# Allegro board 6089-119-RevB_08.brd (continued)
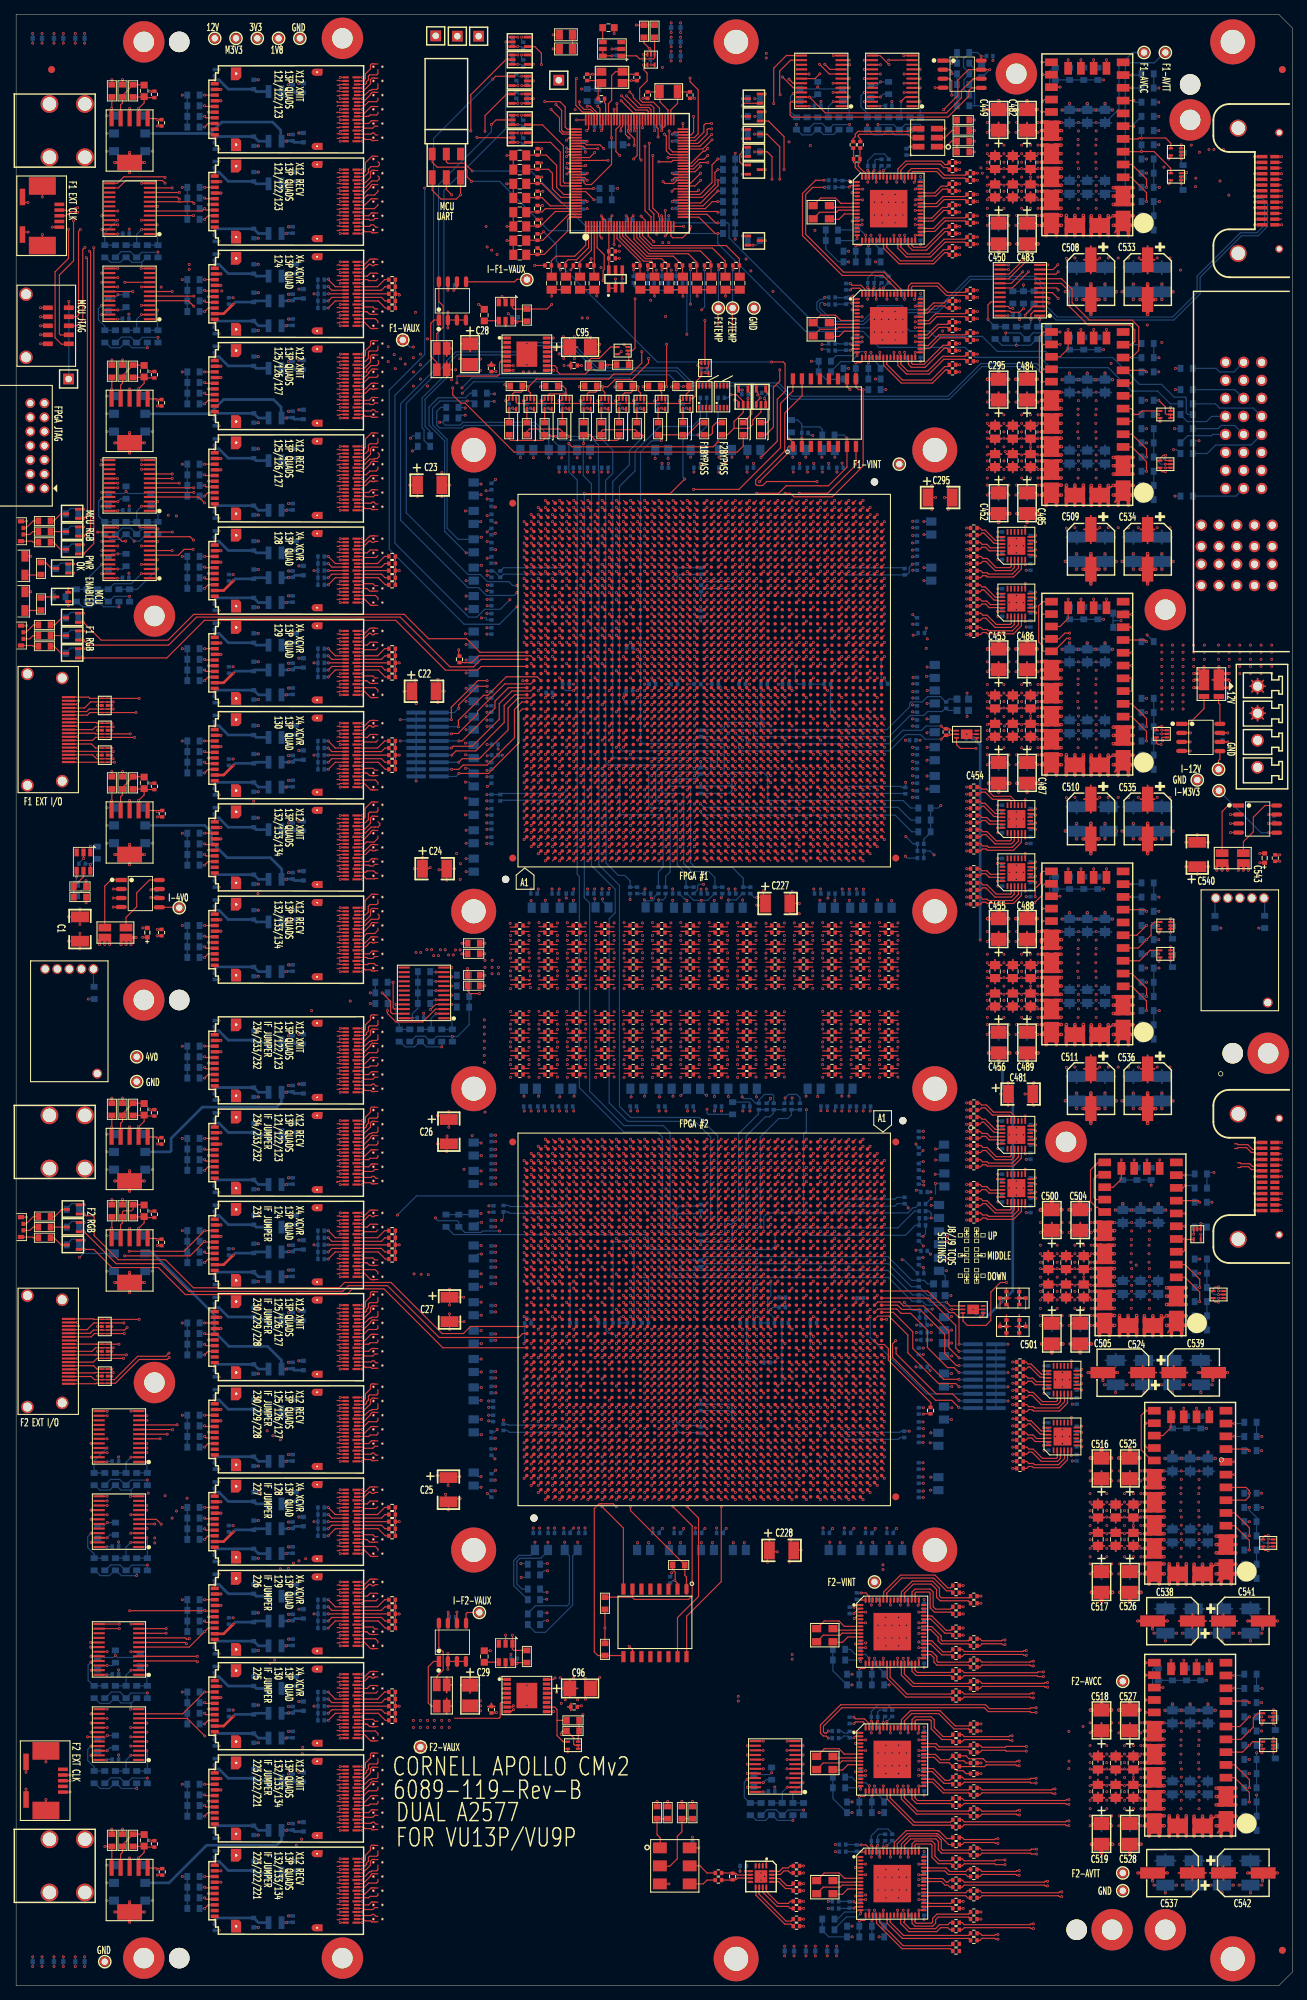
[diagram p0: board, top side]
## Routing (per net, layer and track width the routed paths; a pad name or vN(x,y) marks a point on that pad's centre or on a via; arc(x,y) is an arc through that point) (continued)
; VA6.4 52.05,260.21 ; VA6.4 51.96,260.72 ; VA6.4 51.82,260.81 ; VA6.4 52.02,260.4 ; VA6.4 52.05,260.59 ; VA6.4 51.63,260.02 ; VA6.4 51.96,260.08 ; VA6.4 51.63,260.78 ; VA45.4 52.05,158.59 ; VA45.4 52.05,158.21 ; VA45.4 51.63,158.02 ; VA45.4 51.82,158.81 ; VA45.4 51.96,158.72 ; VA45.4 52.02,158.4 ; VA45.4 51.96,158.08 ; VA45.4 51.63,158.78 ; VA86.4 51.96,54.58 ; VA86.4 51.96,55.22 ; VA86.4 52.02,54.9 ; VA86.4 51.63,54.52 ; VA86.4 51.82,55.31 ; VA86.4 51.63,55.28 ; VA86.4 52.05,55.09 ; VA86.4 52.05,54.71 ; PM1.1 13.38,3.4 ; PM1.1 12.5,4.28 ; PM1.1 11.62,3.4 ; PM1.1 13.17,4.07 ; PM1.1 11.83,4.07 ; PM1.1 11.83,2.73 ; PM1.1 12.5,2.52 ; PM1.1 13.17,2.73 ; VA72.4 51.96,91.72 ; VA72.4 52.05,91.59 ; VA72.4 51.82,91.81 ; VA72.4 52.05,91.21 ; VA72.4 52.02,91.4 ; VA72.4 51.63,91.02 ; VA72.4 51.96,91.08 ; VA72.4 51.63,91.78 ; 49.95,255.59 VA8.3 ; VA8.3 50.04,255.08 ; VA8.3 49.98,255.4 ; VA8.3 50.18,254.99 ; VA8.3 50.37,255.78 ; VA8.3 50.37,255.02 ; VA8.3 50.04,255.72 ; VA8.3 49.95,255.21 ; VA10.4 51.63,251.78 ; VA10.4 52.05,251.59 ; VA10.4 52.05,251.21 ; VA10.4 51.96,251.72 ; VA10.4 51.63,251.02 ; VA10.4 52.02,251.4 ; VA10.4 51.96,251.08 ; VA10.4 51.82,251.81 ; VA84.3 52.02,60.9 ; VA84.3 51.63,61.28 ; VA84.3 52.05,60.71 ; VA84.3 51.63,60.52 ; VA84.3 51.96,60.58 ; VA84.3 51.82,61.31 ; VA84.3 51.96,61.22 ; VA84.3 52.05,61.09 ; VA42.4 52.02,164.4 ; VA42.4 52.05,164.21 ; VA42.4 51.63,164.02 ; VA42.4 52.05,164.59 ; VA42.4 51.96,164.08 ; VA42.4 51.82,164.81 ; VA42.4 51.63,164.78 ; VA42.4 51.96,164.72 ; 49.95,266.59 VA3.3 ; VA3.3 50.04,266.08 ; VA3.3 50.37,266.02 ; VA3.3 50.37,266.78 ; VA3.3 50.04,266.72 ; VA3.3 49.95,266.21 ; VA3.3 50.18,265.99 ; VA3.3 49.98,266.4 ; 49.95,231.59 VA17.3 ; VA17.3 49.95,231.21 ; VA17.3 49.98,231.4 ; VA17.3 50.18,230.99 ; VA17.3 50.04,231.72 ; VA17.3 50.37,231.02 ; VA17.3 50.37,231.78 ; VA17.3 50.04,231.08 ; VA77.4 51.96,80.08 ; VA77.4 51.82,80.81 ; VA77.4 52.02,80.4 ; VA77.4 51.63,80.78 ; VA77.4 51.63,80.02 ; VA77.4 51.96,80.72 ; VA77.4 52.05,80.21 ; VA77.4 52.05,80.59 ; VA55.4 51.63,132.78 ; VA55.4 51.96,132.72 ; VA55.4 52.02,132.4 ; VA55.4 52.05,132.59 ; VA55.4 51.63,132.02 ; VA55.4 51.82,132.81 ; VA55.4 52.05,132.21 ; VA55.4 51.96,132.08 ; 5.69,82.94 J6.21 ; J6.21 6.5,83.2 ; J6.21 7.31,82.94 ; J6.21 5.43,82.14 ; J6.21 6.5,81.07 ; J6.21 7.57,82.14 ; J6.21 5.69,81.33 ; J6.21 7.31,81.33 ; 49.98,235.9 VA15.4 ; VA15.4 50.04,235.58 ; VA15.4 50.18,235.49 ; VA15.4 50.37,235.52 ; VA15.4 49.95,235.71 ; VA15.4 49.95,236.09 ; VA15.4 50.37,236.28 ; VA15.4 50.04,236.22 ; VA63.3 50.37,115.78 ; VA63.3 50.18,114.99 ; VA63.3 50.04,115.08 ; VA63.3 50.37,115.02 ; VA63.3 49.98,115.4 ; VA63.3 50.04,115.72 ; VA63.3 49.95,115.21 ; VA63.3 49.95,115.59 ; 50.04,69.58 VA81.3 ; VA81.3 50.18,69.49 ; VA81.3 50.04,70.22 ; VA81.3 50.37,69.52 ; VA81.3 49.95,70.09 ; VA81.3 49.98,69.9 ; VA81.3 50.37,70.28 ; VA81.3 49.95,69.71 ; 51.63,218.02 VA23.4 ; VA23.4 52.05,218.21 ; VA23.4 51.82,218.81 ; VA23.4 51.63,218.78 ; VA23.4 51.96,218.08 ; VA23.4 52.02,218.4 ; VA23.4 51.96,218.72 ; VA23.4 52.05,218.59 ; VA97.4 52.02,24.4 ; VA97.4 51.63,24.78 ; VA97.4 51.96,24.72 ; VA97.4 52.05,24.59 ; VA97.4 51.63,24.02 ; VA97.4 52.05,24.21 ; VA97.4 51.82,24.81 ; VA97.4 51.96,24.08 ; 51.63,26.02 VA96.4 ; VA96.4 52.05,26.59 ; VA96.4 51.82,26.81 ; VA96.4 52.05,26.21 ; VA96.4 52.02,26.4 ; VA96.4 51.96,26.08 ; VA96.4 51.63,26.78 ; VA96.4 51.96,26.72 ; 50.18,75.99 VA79.3 ; VA79.3 49.95,76.59 ; VA79.3 50.37,76.02 ; VA79.3 50.04,76.08 ; VA79.3 50.37,76.78 ; VA79.3 50.04,76.72 ; VA79.3 49.98,76.4 ; VA79.3 49.95,76.21 ; 50.37,160.02 VA44.3 ; VA44.3 49.95,160.59 ; VA44.3 49.98,160.4 ; VA44.3 50.37,160.78 ; VA44.3 50.18,159.99 ; VA44.3 49.95,160.21 ; VA44.3 50.04,160.72 ; VA44.3 50.04,160.08 ; 50.04,251.72 VA10.3 ; VA10.3 49.98,251.4 ; VA10.3 50.37,251.78 ; VA10.3 49.95,251.59 ; VA10.3 50.37,251.02 ; VA10.3 50.04,251.08 ; VA10.3 49.95,251.21 ; VA10.3 50.18,250.99 ; 50.37,164.02 VA42.3 ; VA42.3 50.18,163.99 ; VA42.3 49.95,164.59 ; VA42.3 49.98,164.4 ; VA42.3 50.04,164.08 ; VA42.3 49.95,164.21 ; VA42.3 50.37,164.78 ; VA42.3 50.04,164.72 ; 50.18,31.99 VA93.3 ; VA93.3 49.95,32.59 ; VA93.3 50.37,32.78 ; VA93.3 50.04,32.72 ; VA93.3 50.37,32.02 ; VA93.3 49.95,32.21 ; VA93.3 50.04,32.08 ; VA93.3 49.98,32.4 ; 49.95,121.59 VA60.3 ; VA60.3 50.04,121.08 ; VA60.3 50.04,121.72 ; VA60.3 50.37,121.02 ; VA60.3 50.18,120.99 ; VA60.3 49.95,121.21 ; VA60.3 49.98,121.4 ; VA60.3 50.37,121.78 ; VA3.4 51.96,266.72 ; VA3.4 51.63,266.02 ; VA3.4 51.82,266.81 ; VA3.4 52.02,266.4 ; VA3.4 52.05,266.21 ; VA3.4 51.96,266.08 ; VA3.4 51.63,266.78 ; VA3.4 52.05,266.59 ; VA32.3 51.82,195.31 ; VA32.3 52.02,194.9 ; VA32.3 52.05,194.71 ; VA32.3 52.05,195.09 ; VA32.3 51.63,194.52 ; VA32.3 51.96,195.22 ; VA32.3 51.63,195.28 ; VA32.3 51.96,194.58 ; J5.20 2.4,168.35 ; J5.20 2.4,169.96 ; J5.20 1.6,170.22 ; J5.20 1.6,168.08 ; J5.20 2.64,169.6 ; J5.20 2.05,170.2 ; J5.20 2.66,169.15 ; J5.20 1.15,168.11 ; VA73.4 51.96,89.08 ; VA73.4 51.82,89.81 ; VA73.4 52.05,89.21 ; VA73.4 52.02,89.4 ; VA73.4 52.05,89.59 ; VA73.4 51.63,89.78 ; VA73.4 51.96,89.72 ; VA73.4 51.63,89.02 ; 49.95,84.59 VA75.3 ; VA75.3 50.18,83.99 ; VA75.3 50.37,84.78 ; VA75.3 50.37,84.02 ; VA75.3 49.98,84.4 ; VA75.3 50.04,84.08 ; VA75.3 50.04,84.72 ; VA75.3 49.95,84.21 ; 50.04,214.72 VA25.3 ; VA25.3 50.18,213.99 ; VA25.3 50.04,214.08 ; VA25.3 50.37,214.78 ; VA25.3 50.37,214.02 ; VA25.3 49.98,214.4 ; VA25.3 49.95,214.59 ; VA25.3 49.95,214.21 ; 49.95,151.59 VA48.3 ; VA48.3 50.37,151.02 ; VA48.3 49.95,151.21 ; VA48.3 50.37,151.78 ; VA48.3 50.18,150.99 ; VA48.3 50.04,151.72 ; VA48.3 49.98,151.4 ; VA48.3 50.04,151.08 ; 51.63,233.52 VA16.3 ; VA16.3 52.05,233.71 ; VA16.3 51.96,234.22 ; VA16.3 52.05,234.09 ; VA16.3 51.63,234.28 ; VA16.3 51.96,233.58 ; VA16.3 52.02,233.9 ; VA16.3 51.82,234.31 ; 50.04,19.72 VA99.3 ; VA99.3 49.95,19.21 ; VA99.3 50.37,19.78 ; VA99.3 49.95,19.59 ; VA99.3 49.98,19.4 ; VA99.3 50.37,19.02 ; VA99.3 50.04,19.08 ; VA99.3 50.18,18.99 ; 155.33,14.07 PM21.1 ; PM21.1 156.67,12.73 ; PM21.1 156.88,13.4 ; PM21.1 156,14.28 ; PM21.1 156.67,14.07 ; PM21.1 155.12,13.4 ; PM21.1 156,12.52 ; PM21.1 155.33,12.73 ; 50.18,106.49 VA66.3 ; VA66.3 49.95,106.71 ; VA66.3 49.95,107.09 ; VA66.3 49.98,106.9 ; VA66.3 50.04,106.58 ; VA66.3 50.37,106.52 ; VA66.3 50.37,107.28 ; VA66.3 50.04,107.22 ; 50.04,50.22 VA87.4 ; VA87.4 49.98,49.9 ; VA87.4 49.95,50.09 ; VA87.4 50.04,49.58 ; VA87.4 50.37,49.52 ; VA87.4 49.95,49.71 ; VA87.4 50.18,49.49 ; VA87.4 50.37,50.28 ; VA38.4 51.96,175.58 ; VA38.4 51.82,176.31 ; VA38.4 51.96,176.22 ; VA38.4 52.05,175.71 ; VA38.4 51.63,176.28 ; VA38.4 52.05,176.09 ; VA38.4 51.63,175.52 ; VA38.4 52.02,175.9 ; VA62.4 51.82,117.81 ; VA62.4 51.63,117.02 ; VA62.4 51.96,117.72 ; VA62.4 51.63,117.78 ; VA62.4 51.96,117.08 ; VA62.4 52.05,117.21 ; VA62.4 52.05,117.59 ; VA62.4 52.02,117.4 ; 50.04,34.58 VA92.4 ; VA92.4 50.18,34.49 ; VA92.4 49.98,34.9 ; VA92.4 50.37,35.28 ; VA92.4 50.04,35.22 ; VA92.4 49.95,34.71 ; VA92.4 49.95,35.09 ; VA92.4 50.37,34.52 ; 50.04,78.72 VA78.3 ; VA78.3 49.95,78.59 ; VA78.3 50.37,78.78 ; VA78.3 50.18,77.99 ; VA78.3 50.04,78.08 ; VA78.3 49.98,78.4 ; VA78.3 50.37,78.02 ; VA78.3 49.95,78.21 ; 50.18,23.99 VA97.3 ; VA97.3 49.95,24.59 ; VA97.3 50.37,24.78 ; VA97.3 49.98,24.4 ; VA97.3 50.37,24.02 ; VA97.3 49.95,24.21 ; VA97.3 50.04,24.08 ; VA97.3 50.04,24.72 ; 49.98,117.4 VA62.3 ; VA62.3 49.95,117.21 ; VA62.3 50.37,117.02 ; VA62.3 50.18,116.99 ; VA62.3 50.37,117.78 ; VA62.3 49.95,117.59 ; VA62.3 50.04,117.72 ; VA62.3 50.04,117.08 ; 50.04,91.72 VA72.3 ; VA72.3 50.37,91.02 ; VA72.3 50.37,91.78 ; VA72.3 50.18,90.99 ; VA72.3 50.04,91.08 ; VA72.3 49.95,91.59 ; VA72.3 49.98,91.4 ; VA72.3 49.95,91.21 ; 49.98,108.9 VA65.3 ; VA65.3 49.95,109.09 ; VA65.3 50.18,108.49 ; VA65.3 50.04,108.58 ; VA65.3 50.37,109.28 ; VA65.3 50.37,108.52 ; VA65.3 49.95,108.71 ; VA65.3 50.04,109.22 ; VA50.4 51.96,147.08 ; VA50.4 51.63,147.02 ; VA50.4 52.05,147.21 ; VA50.4 51.63,147.78 ; VA50.4 52.02,147.4 ; VA50.4 51.96,147.72 ; VA50.4 52.05,147.59 ; VA50.4 51.82,147.81 ; VA74.4 51.96,87.72 ; VA74.4 52.05,87.21 ; VA74.4 51.63,87.78 ; VA74.4 52.02,87.4 ; VA74.4 51.82,87.81 ; VA74.4 51.63,87.02 ; VA74.4 51.96,87.08 ; VA74.4 52.05,87.59 ; 50.04,74.08 VA80.3 ; VA80.3 49.95,74.59 ; VA80.3 50.37,74.02 ; VA80.3 50.18,73.99 ; VA80.3 49.98,74.4 ; VA80.3 49.95,74.21 ; VA80.3 50.04,74.72 ; VA80.3 50.37,74.78 ; VA15.3 52.05,236.09 ; VA15.3 51.96,236.22 ; VA15.3 51.63,235.52 ; VA15.3 51.82,236.31 ; VA15.3 51.63,236.28 ; VA15.3 51.96,235.58 ; VA15.3 52.05,235.71 ; VA15.3 52.02,235.9 ; VA68.3 52.02,99.9 ; VA68.3 51.96,100.22 ; VA68.3 52.05,99.71 ; VA68.3 51.63,100.28 ; VA68.3 51.82,100.31 ; VA68.3 51.96,99.58 ; VA68.3 52.05,100.09 ; VA68.3 51.63,99.52 ; 49.95,48.09 VA88.4 ; VA88.4 50.18,47.49 ; VA88.4 49.98,47.9 ; VA88.4 50.37,48.28 ; VA88.4 49.95,47.71 ; VA88.4 50.04,48.22 ; VA88.4 50.37,47.52 ; VA88.4 50.04,47.58 ; VA65.4 52.05,109.09 ; VA65.4 52.05,108.71 ; VA65.4 52.02,108.9 ; VA65.4 51.82,109.31 ; VA65.4 51.96,108.58 ; VA65.4 51.63,108.52 ; VA65.4 51.63,109.28 ; VA65.4 51.96,109.22 ; 49.95,15.59 VA101.3 ; VA101.3 50.37,15.02 ; VA101.3 50.04,15.72 ; VA101.3 50.04,15.08 ; VA101.3 50.18,14.99 ; VA101.3 49.98,15.4 ; VA101.3 49.95,15.21 ; VA101.3 50.37,15.78 ; VA36.3 52.02,181.9 ; VA36.3 52.05,182.09 ; VA36.3 51.82,182.31 ; VA36.3 52.05,181.71 ; VA36.3 51.96,181.58 ; VA36.3 51.96,182.22 ; VA36.3 51.63,182.28 ; VA36.3 51.63,181.52 ; 50.18,246.99 VA12.3 ; VA12.3 50.04,247.08 ; VA12.3 49.95,247.59 ; VA12.3 50.37,247.78 ; VA12.3 50.04,247.72 ; VA12.3 50.37,247.02 ; VA12.3 49.95,247.21 ; VA12.3 49.98,247.4 ; 49.95,26.21 VA96.3 ; VA96.3 50.04,26.08 ; VA96.3 50.04,26.72 ; VA96.3 49.98,26.4 ; VA96.3 50.18,25.99 ; VA96.3 50.37,26.02 ; VA96.3 49.95,26.59 ; VA96.3 50.37,26.78 ; 49.95,227.21 VA19.3 ; VA19.3 49.98,227.4 ; VA19.3 50.18,226.99 ; VA19.3 50.37,227.78 ; VA19.3 50.37,227.02 ; VA19.3 50.04,227.08 ; VA19.3 50.04,227.72 ; VA19.3 49.95,227.59 ; 50.37,208.02 VA28.3 ; VA28.3 50.18,207.99 ; VA28.3 49.98,208.4 ; VA28.3 50.04,208.08 ; VA28.3 50.37,208.78 ; VA28.3 49.95,208.21 ; VA28.3 49.95,208.59 ; VA28.3 50.04,208.72 ; 50.04,128.72 VA57.3 ; VA57.3 50.37,128.78 ; VA57.3 49.95,128.59 ; VA57.3 49.95,128.21 ; VA57.3 50.04,128.08 ; VA57.3 49.98,128.4 ; VA57.3 50.18,127.99 ; VA57.3 50.37,128.02 ; 50.18,188.49 VA34.3 ; VA34.3 49.95,189.09 ; VA34.3 49.95,188.71 ; VA34.3 50.37,189.28 ; VA34.3 50.37,188.52 ; VA34.3 50.04,188.58 ; VA34.3 49.98,188.9 ; VA34.3 50.04,189.22 ; VA25.4 51.63,214.78 ; VA25.4 52.02,214.4 ; VA25.4 51.82,214.81 ; VA25.4 51.96,214.08 ; VA25.4 51.96,214.72 ; VA25.4 52.05,214.59 ; VA25.4 52.05,214.21 ; VA25.4 51.63,214.02 ; VA54.4 51.96,134.72 ; VA54.4 52.05,134.21 ; VA54.4 51.63,134.78 ; VA54.4 51.63,134.02 ; VA54.4 52.02,134.4 ; VA54.4 52.05,134.59 ; VA54.4 51.82,134.81 ; VA54.4 51.96,134.08 ; 49.95,57.09 VA85.3 ; VA85.3 50.18,56.49 ; VA85.3 50.04,56.58 ; VA85.3 49.98,56.9 ; VA85.3 50.37,56.52 ; VA85.3 50.04,57.22 ; VA85.3 50.37,57.28 ; VA85.3 49.95,56.71 ; 49.95,30.21 VA94.3 ; VA94.3 50.04,30.72 ; VA94.3 50.04,30.08 ; VA94.3 50.37,30.02 ; VA94.3 49.95,30.59 ; VA94.3 50.18,29.99 ; VA94.3 50.37,30.78 ; VA94.3 49.98,30.4 ; VA100.4 52.02,17.4 ; VA100.4 51.82,17.81 ; VA100.4 52.05,17.59 ; VA100.4 51.96,17.72 ; VA100.4 51.63,17.02 ; VA100.4 52.05,17.21 ; VA100.4 51.63,17.78 ; VA100.4 51.96,17.08 ; VA87.3 51.63,50.28 ; VA87.3 51.96,50.22 ; VA87.3 51.82,50.31 ; VA87.3 52.02,49.9 ; VA87.3 52.05,49.71 ; VA87.3 51.63,49.52 ; VA87.3 51.96,49.58 ; VA87.3 52.05,50.09 ; VA53.4 51.82,136.81 ; VA53.4 52.05,136.59 ; VA53.4 51.96,136.72 ; VA53.4 52.02,136.4 ; VA53.4 52.05,136.21 ; VA53.4 51.63,136.78 ; VA53.4 51.96,136.08 ; VA53.4 51.63,136.02 ; VA104.4 52.05,9.59 ; VA104.4 51.63,9.78 ; VA104.4 52.02,9.4 ; VA104.4 51.96,9.72 ; VA104.4 51.63,9.02 ; VA104.4 51.82,9.81 ; VA104.4 51.96,9.08 ; VA104.4 52.05,9.21 ; 49.95,233.71 VA16.4 ; VA16.4 50.04,234.22 ; VA16.4 49.98,233.9 ; VA16.4 50.37,234.28 ; VA16.4 50.04,233.58 ; VA16.4 50.18,233.49 ; VA16.4 50.37,233.52 ; VA16.4 49.95,234.09 ; 50.18,211.99 VA26.3 ; VA26.3 49.95,212.21 ; VA26.3 50.37,212.02 ; VA26.3 49.95,212.59 ; VA26.3 50.04,212.72 ; VA26.3 49.98,212.4 ; VA26.3 50.04,212.08 ; VA26.3 50.37,212.78 ; 49.95,176.09 VA38.3 ; VA38.3 50.04,176.22 ; VA38.3 50.37,176.28 ; VA38.3 49.95,175.71 ; VA38.3 50.37,175.52 ; VA38.3 50.04,175.58 ; VA38.3 50.18,175.49 ; VA38.3 49.98,175.9 ; VA52.4 52.05,143.59 ; VA52.4 51.96,143.08 ; VA52.4 51.96,143.72 ; VA52.4 52.02,143.4 ; VA52.4 51.63,143.78 ; VA52.4 52.05,143.21 ; VA52.4 51.82,143.81 ; VA52.4 51.63,143.02 ; 50.37,257.02 VA7.3 ; VA7.3 49.95,257.21 ; VA7.3 50.04,257.72 ; VA7.3 50.37,257.78 ; VA7.3 50.04,257.08 ; VA7.3 50.18,256.99 ; VA7.3 49.95,257.59 ; VA7.3 49.98,257.4 ; VA80.4 51.96,74.72 ; VA80.4 51.63,74.78 ; VA80.4 51.63,74.02 ; VA80.4 51.82,74.81 ; VA80.4 51.96,74.08 ; VA80.4 52.05,74.59 ; VA80.4 52.05,74.21 ; VA80.4 52.02,74.4 ; 51.63,123.02 VA59.4 ; VA59.4 51.96,123.72 ; VA59.4 52.05,123.59 ; VA59.4 51.96,123.08 ; VA59.4 51.63,123.78 ; VA59.4 52.05,123.21 ; VA59.4 51.82,123.81 ; VA59.4 52.02,123.4 ; VA46.4 52.05,156.59 ; VA46.4 51.96,156.08 ; VA46.4 51.63,156.02 ; VA46.4 51.63,156.78 ; VA46.4 52.05,156.21 ; VA46.4 51.82,156.81 ; VA46.4 52.02,156.4 ; VA46.4 51.96,156.72 ; 50.37,95.02 VA70.3 ; VA70.3 50.04,95.08 ; VA70.3 50.37,95.78 ; VA70.3 50.04,95.72 ; VA70.3 49.95,95.59 ; VA70.3 49.98,95.4 ; VA70.3 49.95,95.21 ; VA70.3 50.18,94.99 ; VA82.4 52.05,68.09 ; VA82.4 51.63,68.28 ; VA82.4 52.05,67.71 ; VA82.4 51.82,68.31 ; VA82.4 52.02,67.9 ; VA82.4 51.63,67.52 ; VA82.4 51.96,68.22 ; VA82.4 51.96,67.58 ; 49.95,136.59 VA53.3 ; VA53.3 50.04,136.72 ; VA53.3 50.18,135.99 ; VA53.3 50.04,136.08 ; VA53.3 49.95,136.21 ; VA53.3 50.37,136.02 ; VA53.3 49.98,136.4 ; VA53.3 50.37,136.78 ; 49.95,156.59 VA46.3 ; VA46.3 50.37,156.78 ; VA46.3 49.95,156.21 ; VA46.3 50.37,156.02 ; VA46.3 50.04,156.08 ; VA46.3 50.18,155.99 ; VA46.3 49.98,156.4 ; VA46.3 50.04,156.72 ; 49.95,203.71 VA29.3 ; VA29.3 49.98,203.9 ; VA29.3 50.18,203.49 ; VA29.3 50.37,204.28 ; VA29.3 49.95,204.09 ; VA29.3 50.37,203.52 ; VA29.3 50.04,204.22 ; VA29.3 50.04,203.58 ; 49.95,145.21 VA51.3 ; VA51.3 50.37,145.02 ; VA51.3 49.95,145.59 ; VA51.3 50.04,145.72 ; VA51.3 50.37,145.78 ; VA51.3 50.04,145.08 ; VA51.3 49.98,145.4 ; VA51.3 50.18,144.99 ; 50.04,260.08 VA6.3 ; VA6.3 49.95,260.21 ; VA6.3 49.95,260.59 ; VA6.3 50.18,259.99 ; VA6.3 50.04,260.72 ; VA6.3 50.37,260.02 ; VA6.3 49.98,260.4 ; VA6.3 50.37,260.78 ; VA40.3 52.02,168.9 ; VA40.3 52.05,169.09 ; VA40.3 51.63,169.28 ; VA40.3 52.05,168.71 ; VA40.3 51.63,168.52 ; VA40.3 51.96,169.22 ; VA40.3 51.96,168.58 ; VA40.3 51.82,169.31 ; 50.37,201.52 VA30.3 ; VA30.3 49.98,201.9 ; VA30.3 49.95,201.71 ; VA30.3 50.04,202.22 ; VA30.3 50.37,202.28 ; VA30.3 49.95,202.09 ; VA30.3 50.04,201.58 ; VA30.3 50.18,201.49 ; VA43.4 52.05,162.21 ; VA43.4 51.63,162.78 ; VA43.4 51.96,162.72 ; VA43.4 51.82,162.81 ; VA43.4 52.02,162.4 ; VA43.4 51.63,162.02 ; VA43.4 51.96,162.08 ; VA43.4 52.05,162.59 ; VA49.4 52.02,149.4 ; VA49.4 51.96,149.08 ; VA49.4 52.05,149.21 ; VA49.4 52.05,149.59 ; VA49.4 51.63,149.78 ; VA49.4 51.96,149.72 ; VA49.4 51.63,149.02 ; VA49.4 51.82,149.81 ; 50.04,147.72 VA50.3 ; VA50.3 49.98,147.4 ; VA50.3 49.95,147.59 ; VA50.3 50.37,147.02 ; VA50.3 50.04,147.08 ; VA50.3 50.37,147.78 ; VA50.3 50.18,146.99 ; VA50.3 49.95,147.21 ; VA37.4 52.05,178.09 ; VA37.4 51.96,177.58 ; VA37.4 52.05,177.71 ; VA37.4 51.63,178.28 ; VA37.4 51.63,177.52 ; VA37.4 52.02,177.9 ; VA37.4 51.82,178.31 ; VA37.4 51.96,178.22 ; VA18.4 52.02,229.4 ; VA18.4 52.05,229.21 ; VA18.4 51.63,229.02 ; VA18.4 51.96,229.08 ; VA18.4 52.05,229.59 ; VA18.4 51.63,229.78 ; VA18.4 51.82,229.81 ; VA18.4 51.96,229.72 ; VA47.4 52.05,153.59 ; VA47.4 51.96,153.08 ; VA47.4 52.02,153.4 ; VA47.4 51.63,153.78 ; VA47.4 52.05,153.21 ; VA47.4 51.82,153.81 ; VA47.4 51.63,153.02 ; VA47.4 51.96,153.72 ; 50.37,196.52 VA31.4 ; VA31.4 49.95,197.09 ; VA31.4 50.04,197.22 ; VA31.4 49.98,196.9 ; VA31.4 50.37,197.28 ; VA31.4 50.04,196.58 ; VA31.4 50.18,196.49 ; VA31.4 49.95,196.71 ; 49.95,132.59 VA55.3 ; VA55.3 50.37,132.78 ; VA55.3 49.95,132.21 ; VA55.3 50.18,131.99 ; VA55.3 50.04,132.08 ; VA55.3 50.37,132.02 ; VA55.3 50.04,132.72 ; VA55.3 49.98,132.4 ; J6.22 7.31,97.47 ; J6.22 5.69,97.47 ; J6.22 5.43,96.66 ; J6.22 7.31,95.86 ; J6.22 6.5,97.73 ; J6.22 6.5,95.6 ; J6.22 5.69,95.86 ; J6.22 7.57,96.66 ; VA86.3 50.37,55.28 ; VA86.3 50.04,55.22 ; VA86.3 49.95,54.71 ; VA86.3 49.98,54.9 ; VA86.3 50.18,54.49 ; VA86.3 50.04,54.58 ; VA86.3 50.37,54.52 ; VA86.3 49.95,55.09 ; VA91.3 51.96,37.22 ; VA91.3 51.82,37.31 ; VA91.3 51.96,36.58 ; VA91.3 52.05,36.71 ; VA91.3 52.02,36.9 ; VA91.3 51.63,36.52 ; VA91.3 52.05,37.09 ; VA91.3 51.63,37.28 ; VA67.3 52.02,101.9 ; VA67.3 51.63,102.28 ; VA67.3 51.82,102.31 ; VA67.3 51.96,101.58 ; VA67.3 52.05,102.09 ; VA67.3 51.63,101.52 ; VA67.3 51.96,102.22 ; VA67.3 52.05,101.71 ; 49.95,37.09 VA91.4 ; VA91.4 50.04,37.22 ; VA91.4 50.37,37.28 ; VA91.4 50.04,36.58 ; VA91.4 50.37,36.52 ; VA91.4 49.95,36.71 ; VA91.4 50.18,36.49 ; VA91.4 49.98,36.9 ; 49.98,221.4 VA22.3 ; VA22.3 49.95,221.59 ; VA22.3 50.04,221.08 ; VA22.3 50.37,221.78 ; VA22.3 49.95,221.21 ; VA22.3 50.18,220.99 ; VA22.3 50.04,221.72 ; VA22.3 50.37,221.02 ; VA70.4 52.02,95.4 ; VA70.4 51.96,95.08 ; VA70.4 51.63,95.02 ; VA70.4 51.82,95.81 ; VA70.4 52.05,95.21 ; VA70.4 52.05,95.59 ; VA70.4 51.96,95.72 ; VA70.4 51.63,95.78 ; VA56.4 52.05,130.59 ; VA56.4 51.63,130.02 ; VA56.4 52.05,130.21 ; VA56.4 51.63,130.78 ; VA56.4 52.02,130.4 ; VA56.4 51.82,130.81 ; VA56.4 51.96,130.72 ; VA56.4 51.96,130.08 ; VA71.4 52.05,93.21 ; VA71.4 52.05,93.59 ; VA71.4 51.96,93.72 ; VA71.4 51.63,93.02 ; VA71.4 51.96,93.08 ; VA71.4 51.82,93.81 ; VA71.4 52.02,93.4 ; VA71.4 51.63,93.78 ; 50.04,153.72 VA47.3 ; VA47.3 50.04,153.08 ; VA47.3 50.37,153.02 ; VA47.3 49.95,153.21 ; VA47.3 50.37,153.78 ; VA47.3 49.95,153.59 ; VA47.3 49.98,153.4 ; VA47.3 50.18,152.99 ; 50.37,87.02 VA74.3 ; VA74.3 50.04,87.08 ; VA74.3 50.18,86.99 ; VA74.3 50.04,87.72 ; VA74.3 50.37,87.78 ; VA74.3 49.95,87.21 ; VA74.3 49.95,87.59 ; VA74.3 49.98,87.4